# KiCad board krunchboard.kicad_pcb
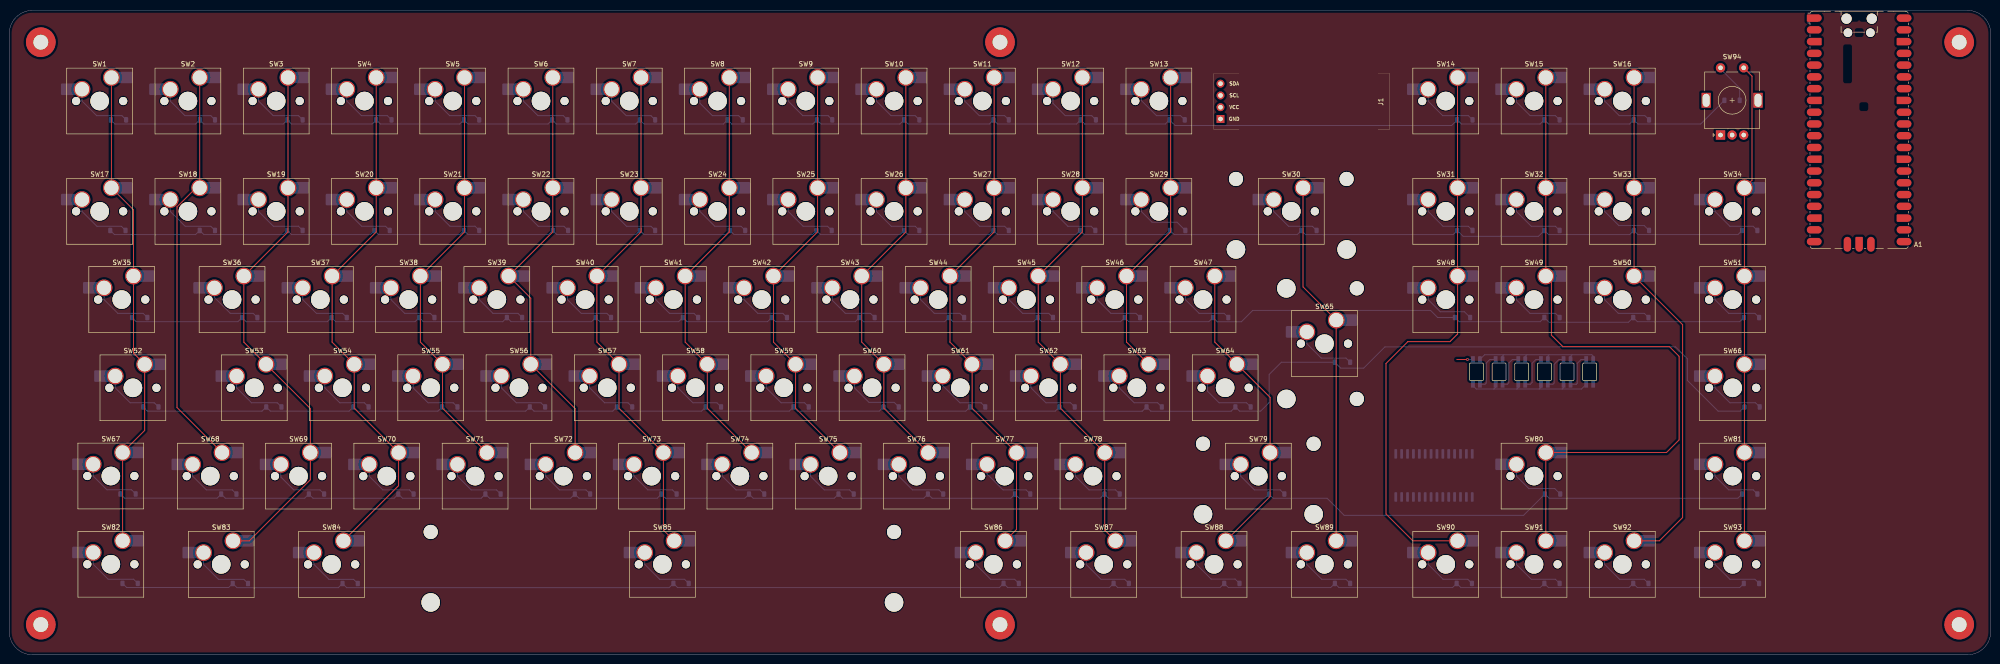
[diagram p0: board, top side]
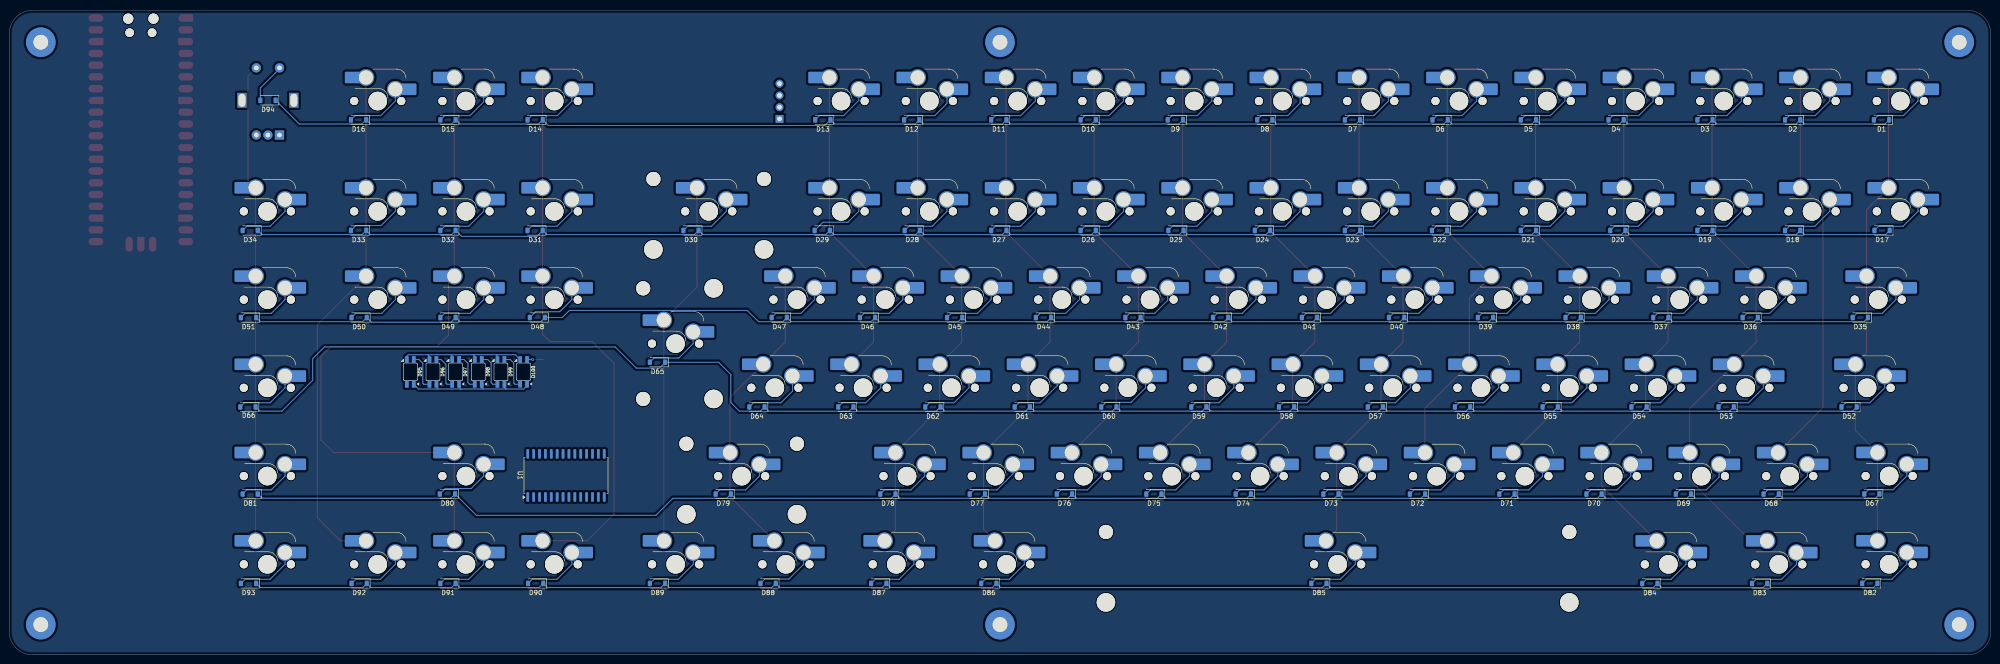
[diagram p1: board, bottom side, seen from below]

Outline 427.63 x 139.09 mm; copper layers: Top, Bottom. Coordinates in mm from the lower left corner of the outline.
Outline path: 0,134.09 arc(1.46,137.63) 5,139.09 422.63,139.09 arc(426.17,137.63) 427.63,134.09 427.63,5 arc(426.17,1.46) 422.63,0 5,0 arc(1.46,1.46) 0,5 0,134.09
Stack: Top 0.035mm / dielectric 1.51mm FR4 er 4.5 / Bottom 0.035mm

## Placement (name value [footprint] x y rotation side)
A1  RaspberryPi_Pico  [RaspberryPi_Pico_SMD_HandSolder]  399.24 113.31 0 top
D1  1N4148W  [D_SOD-123]  23.57 115.47 0 bottom
D2  1N4148W  [D_SOD-123]  42.75 115.47 0 bottom
D3  1N4148W  [D_SOD-123]  61.67 115.47 0 bottom
D4  1N4148W  [D_SOD-123]  80.85 115.47 0 bottom
D5  1N4148W  [D_SOD-123]  99.77 115.47 0 bottom
D6  1N4148W  [D_SOD-123]  118.82 115.47 0 bottom
D7  1N4148W  [D_SOD-123]  137.75 115.47 0 bottom
D8  1N4148W  [D_SOD-123]  156.67 115.47 0 bottom
D9  1N4148W  [D_SOD-123]  175.97 115.47 0 bottom
D10  1N4148W  [D_SOD-123]  194.77 115.47 0 bottom
D11  1N4148W  [D_SOD-123]  214.07 115.47 0 bottom
D12  1N4148W  [D_SOD-123]  232.87 115.47 0 bottom
D13  1N4148W  [D_SOD-123]  252.05 115.47 0 bottom
D14  1N4148W  [D_SOD-123]  314.15 115.47 0 bottom
D15  1N4148W  [D_SOD-123]  332.94 115.47 0 bottom
D16  1N4148W  [D_SOD-123]  352.25 115.47 0 bottom
D17  1N4148W  [D_SOD-123]  23.45 91.59 0 bottom
D18  1N4148W  [D_SOD-123]  42.75 91.59 0 bottom
D19  1N4148W  [D_SOD-123]  61.67 91.59 0 bottom
D20  1N4148W  [D_SOD-123]  80.47 91.59 0 bottom
D21  1N4148W  [D_SOD-123]  99.77 91.59 0 bottom
D22  1N4148W  [D_SOD-123]  118.95 91.59 0 bottom
D23  1N4148W  [D_SOD-123]  137.75 91.59 0 bottom
D24  1N4148W  [D_SOD-123]  157.18 91.59 0 bottom
D25  1N4148W  [D_SOD-123]  175.85 91.59 0 bottom
D26  1N4148W  [D_SOD-123]  194.77 91.59 0 bottom
D27  1N4148W  [D_SOD-123]  214.07 91.59 0 bottom
D28  1N4148W  [D_SOD-123]  232.74 91.59 0 bottom
D29  1N4148W  [D_SOD-123]  252.17 91.59 0 bottom
D30  1N4148W  [D_SOD-123]  280.49 91.59 0 bottom
D31  1N4148W  [D_SOD-123]  314.15 91.59 0 bottom
D32  1N4148W  [D_SOD-123]  332.94 91.59 0 bottom
D33  1N4148W  [D_SOD-123]  352.25 91.59 0 bottom
D34  1N4148W  [D_SOD-123]  375.62 91.59 0 bottom
D35  1N4148W  [D_SOD-123]  28.14 72.8 0 bottom
D36  1N4148W  [D_SOD-123]  51.89 72.8 0 bottom
D37  1N4148W  [D_SOD-123]  71.2 72.8 0 bottom
D38  1N4148W  [D_SOD-123]  90.12 72.8 0 bottom
D39  1N4148W  [D_SOD-123]  109.04 72.8 0 bottom
D40  1N4148W  [D_SOD-123]  128.22 72.8 0 bottom
D41  1N4148W  [D_SOD-123]  147.02 72.8 0 bottom
D42  1N4148W  [D_SOD-123]  166.19 72.8 0 bottom
D43  1N4148W  [D_SOD-123]  185.12 72.8 0 bottom
D44  1N4148W  [D_SOD-123]  204.42 72.8 0 bottom
D45  1N4148W  [D_SOD-123]  223.6 72.8 0 bottom
D46  1N4148W  [D_SOD-123]  242.39 72.8 0 bottom
D47  1N4148W  [D_SOD-123]  261.44 72.8 0 bottom
D48  1N4148W  [D_SOD-123]  313.64 72.8 0 bottom
D49  1N4148W  [D_SOD-123]  332.94 72.8 0 bottom
D50  1N4148W  [D_SOD-123]  352.12 72.8 0 bottom
D51  1N4148W  [D_SOD-123]  376 72.8 0 bottom
D52  1N4148W  [D_SOD-123]  30.56 53.49 0 bottom
D53  1N4148W  [D_SOD-123]  57.1 53.49 0 bottom
D54  1N4148W  [D_SOD-123]  75.9 53.49 0 bottom
D55  1N4148W  [D_SOD-123]  95.07 53.49 0 bottom
D56  1N4148W  [D_SOD-123]  114 53.49 0 bottom
D57  1N4148W  [D_SOD-123]  132.79 53.49 0 bottom
D58  1N4148W  [D_SOD-123]  151.97 53.49 0 bottom
D59  1N4148W  [D_SOD-123]  170.89 53.49 0 bottom
D60  1N4148W  [D_SOD-123]  190.32 53.49 0 bottom
D61  1N4148W  [D_SOD-123]  208.99 53.49 0 bottom
D62  1N4148W  [D_SOD-123]  228.3 53.49 0 bottom
D63  1N4148W  [D_SOD-123]  247.09 53.49 0 bottom
D64  1N4148W  [D_SOD-123]  266.27 53.49 0 bottom
D65  1N4148W  [D_SOD-123]  287.73 63.14 0 bottom
D66  1N4148W  [D_SOD-123]  376.12 53.49 0 bottom
D67  1N4148W  [D_SOD-123]  25.63 34.71 0 bottom
D68  1N4148W  [D_SOD-123]  47.38 34.68 0 bottom
D69  1N4148W  [D_SOD-123]  66.31 34.68 0 bottom
D70  1N4148W  [D_SOD-123]  85.61 34.68 0 bottom
D71  1N4148W  [D_SOD-123]  104.41 34.68 0 bottom
D72  1N4148W  [D_SOD-123]  123.71 34.68 0 bottom
D73  1N4148W  [D_SOD-123]  142.38 34.68 0 bottom
D74  1N4148W  [D_SOD-123]  161.3 34.68 0 bottom
D75  1N4148W  [D_SOD-123]  180.61 34.68 0 bottom
D76  1N4148W  [D_SOD-123]  199.91 34.68 0 bottom
D77  1N4148W  [D_SOD-123]  218.71 34.68 0 bottom
D78  1N4148W  [D_SOD-123]  238.01 34.68 0 bottom
D79  1N4148W  [D_SOD-123]  273.54 34.68 0 bottom
D80  1N4148W  [D_SOD-123]  333.07 34.7 0 bottom
D81  1N4148W  [D_SOD-123]  375.62 34.7 0 bottom
D82  1N4148W  [D_SOD-123]  26.08 15.41 0 bottom
D83  1N4148W  [D_SOD-123]  49.87 15.38 0 bottom
D84  1N4148W  [D_SOD-123]  73.57 15.38 0 bottom
D85  1N4148W  [D_SOD-123]  144.98 15.39 0 bottom
D86  1N4148W  [D_SOD-123]  216.23 15.39 0 bottom
D87  1N4148W  [D_SOD-123]  239.98 15.39 0 bottom
D88  1N4148W  [D_SOD-123]  263.86 15.39 0 bottom
D89  1N4148W  [D_SOD-123]  287.73 15.39 0 bottom
D90  1N4148W  [D_SOD-123]  314.02 15.39 0 bottom
D91  1N4148W  [D_SOD-123]  332.94 15.39 0 bottom
D92  1N4148W  [D_SOD-123]  352.12 15.39 0 bottom
D93  1N4148W  [D_SOD-123]  376 15.39 0 bottom
D94  1N4148W  [D_SOD-123]  371.81 119.68 0 bottom
D95  LED_SK6812MINI  [SK6812-MINI-E]  341.08 61.06 90 bottom
D96  LED_SK6812MINI  [SK6812-MINI-E]  336.19 61.06 90 bottom
D97  LED_SK6812MINI  [SK6812-MINI-E]  331.3 61.06 90 bottom
D98  LED_SK6812MINI  [SK6812-MINI-E]  326.42 61.06 90 bottom
D99  LED_SK6812MINI  [SK6812-MINI-E]  321.53 61.06 90 bottom
D100  LED_SK6812MINI  [SK6812-MINI-E]  316.64 61.06 90 bottom
J1  Conn_01x04_Pin  [SSD1306-0.91-OLED-4pin-128x32]  297.9 113.47 180 top
REF**  -  [MountingHole_3.2mm_M3_Pad_TopBottom]  6.81 132.23 0 top
REF**#2  -  [Stabilizer_MX_2.00u]  283.85 67.16 270 top
REF**#3  -  [Stabilizer_MX_2.00u]  269.57 38.56 0 top
REF**#4  -  [MountingHole_3.2mm_M3_Pad_TopBottom]  213.82 6.5 0 top
REF**#5  -  [Stabilizer_MX_6.25u]  140.95 19.52 0 top
REF**#6  -  [Stabilizer_MX_2.00u]  276.68 95.72 0 top
REF**#7  -  [MountingHole_3.2mm_M3_Pad_TopBottom]  420.83 6.5 0 top
REF**#8  -  [MountingHole_3.2mm_M3_Pad_TopBottom]  420.83 132.23 0 top
REF**#9  -  [MountingHole_3.2mm_M3_Pad_TopBottom]  6.81 6.5 0 top
REF**#10  -  [MountingHole_3.2mm_M3_Pad_TopBottom]  213.82 132.23 0 top
SW1  SW_Push_45deg  [Hotswap_MX_Plated_1.00u]  19.51 119.53 0 top
SW2  SW_Push_45deg  [Hotswap_MX_Plated_1.00u]  38.56 119.53 0 top
SW3  SW_Push_45deg  [Hotswap_MX_Plated_1.00u]  57.61 119.53 0 top
SW4  SW_Push_45deg  [Hotswap_MX_Plated_1.00u]  76.66 119.53 0 top
SW5  SW_Push_45deg  [Hotswap_MX_Plated_1.00u]  95.71 119.53 0 top
SW6  SW_Push_45deg  [Hotswap_MX_Plated_1.00u]  114.76 119.53 0 top
SW7  SW_Push_45deg  [Hotswap_MX_Plated_1.00u]  133.81 119.53 0 top
SW8  SW_Push_45deg  [Hotswap_MX_Plated_1.00u]  152.86 119.53 0 top
SW9  SW_Push_45deg  [Hotswap_MX_Plated_1.00u]  171.91 119.53 0 top
SW10  SW_Push_45deg  [Hotswap_MX_Plated_1.00u]  190.96 119.53 0 top
SW11  SW_Push_45deg  [Hotswap_MX_Plated_1.00u]  210.01 119.53 0 top
SW12  SW_Push_45deg  [Hotswap_MX_Plated_1.00u]  229.06 119.53 0 top
SW13  SW_Push_45deg  [Hotswap_MX_Plated_1.00u]  248.11 119.53 0 top
SW14  SW_Push_45deg  [Hotswap_MX_Plated_1.00u]  310.02 119.53 0 top
SW15  SW_Push_45deg  [Hotswap_MX_Plated_1.00u]  329.07 119.53 0 top
SW16  SW_Push_45deg  [Hotswap_MX_Plated_1.00u]  348.12 119.53 0 top
SW17  SW_Push_45deg  [Hotswap_MX_Plated_1.00u]  19.51 95.72 0 top
SW18  SW_Push_45deg  [Hotswap_MX_Plated_1.00u]  38.56 95.72 0 top
SW19  SW_Push_45deg  [Hotswap_MX_Plated_1.00u]  57.61 95.72 0 top
SW20  SW_Push_45deg  [Hotswap_MX_Plated_1.00u]  76.66 95.72 0 top
SW21  SW_Push_45deg  [Hotswap_MX_Plated_1.00u]  95.71 95.72 0 top
SW22  SW_Push_45deg  [Hotswap_MX_Plated_1.00u]  114.76 95.72 0 top
SW23  SW_Push_45deg  [Hotswap_MX_Plated_1.00u]  133.81 95.72 0 top
SW24  SW_Push_45deg  [Hotswap_MX_Plated_1.00u]  152.86 95.72 0 top
SW25  SW_Push_45deg  [Hotswap_MX_Plated_1.00u]  171.91 95.72 0 top
SW26  SW_Push_45deg  [Hotswap_MX_Plated_1.00u]  190.96 95.72 0 top
SW27  SW_Push_45deg  [Hotswap_MX_Plated_1.00u]  210.01 95.72 0 top
SW28  SW_Push_45deg  [Hotswap_MX_Plated_1.00u]  229.06 95.72 0 top
SW29  SW_Push_45deg  [Hotswap_MX_Plated_1.00u]  248.11 95.72 0 top
SW30  SW_Push_45deg  [Hotswap_MX_Plated_2.00u]  276.68 95.72 0 top
SW31  SW_Push_45deg  [Hotswap_MX_Plated_1.00u]  310.02 95.72 0 top
SW32  SW_Push_45deg  [Hotswap_MX_Plated_1.00u]  329.07 95.72 0 top
SW33  SW_Push_45deg  [Hotswap_MX_Plated_1.00u]  348.12 95.72 0 top
SW34  SW_Push_45deg  [Hotswap_MX_Plated_1.00u]  371.93 95.72 0 top
SW35  SW_Push_45deg  [Hotswap_MX_Plated_1.50u]  24.27 76.67 0 top
SW36  SW_Push_45deg  [Hotswap_MX_Plated_1.00u]  48.08 76.67 0 top
SW37  SW_Push_45deg  [Hotswap_MX_Plated_1.00u]  67.13 76.67 0 top
SW38  SW_Push_45deg  [Hotswap_MX_Plated_1.00u]  86.18 76.67 0 top
SW39  SW_Push_45deg  [Hotswap_MX_Plated_1.00u]  105.23 76.67 0 top
SW40  SW_Push_45deg  [Hotswap_MX_Plated_1.00u]  124.28 76.67 0 top
SW41  SW_Push_45deg  [Hotswap_MX_Plated_1.00u]  143.33 76.67 0 top
SW42  SW_Push_45deg  [Hotswap_MX_Plated_1.00u]  162.38 76.67 0 top
SW43  SW_Push_45deg  [Hotswap_MX_Plated_1.00u]  181.43 76.67 0 top
SW44  SW_Push_45deg  [Hotswap_MX_Plated_1.00u]  200.48 76.67 0 top
SW45  SW_Push_45deg  [Hotswap_MX_Plated_1.00u]  219.53 76.67 0 top
SW46  SW_Push_45deg  [Hotswap_MX_Plated_1.00u]  238.58 76.67 0 top
SW47  SW_Push_45deg  [Hotswap_MX_Plated_1.00u]  257.63 76.67 0 top
SW48  SW_Push_45deg  [Hotswap_MX_Plated_1.00u]  310.03 76.66 0 top
SW49  SW_Push_45deg  [Hotswap_MX_Plated_1.00u]  329.06 76.66 0 top
SW50  SW_Push_45deg  [Hotswap_MX_Plated_1.00u]  348.11 76.66 0 top
SW51  SW_Push_45deg  [Hotswap_MX_Plated_1.00u]  371.93 76.66 0 top
SW52  SW_Push_45deg  [Hotswap_MX_Plated_1.75u]  26.68 57.62 0 top
SW53  SW_Push_45deg  [Hotswap_MX_Plated_1.00u]  52.87 57.62 0 top
SW54  SW_Push_45deg  [Hotswap_MX_Plated_1.00u]  71.91 57.63 0 top
SW55  SW_Push_45deg  [Hotswap_MX_Plated_1.00u]  90.96 57.63 0 top
SW56  SW_Push_45deg  [Hotswap_MX_Plated_1.00u]  110.01 57.63 0 top
SW57  SW_Push_45deg  [Hotswap_MX_Plated_1.00u]  129.06 57.63 0 top
SW58  SW_Push_45deg  [Hotswap_MX_Plated_1.00u]  148.11 57.63 0 top
SW59  SW_Push_45deg  [Hotswap_MX_Plated_1.00u]  167.16 57.63 0 top
SW60  SW_Push_45deg  [Hotswap_MX_Plated_1.00u]  186.21 57.63 0 top
SW61  SW_Push_45deg  [Hotswap_MX_Plated_1.00u]  205.26 57.63 0 top
SW62  SW_Push_45deg  [Hotswap_MX_Plated_1.00u]  224.31 57.63 0 top
SW63  SW_Push_45deg  [Hotswap_MX_Plated_1.00u]  243.36 57.63 0 top
SW64  SW_Push_45deg  [Hotswap_MX_Plated_1.00u]  262.41 57.63 0 top
SW65  SW_Push_45deg  [Hotswap_MX_Plated_ISOEnter]  283.85 67.16 0 top
SW66  SW_Push_45deg  [Hotswap_MX_Plated_1.00u]  371.93 57.62 0 top
SW67  SW_Push_45deg  [Hotswap_MX_Plated_1.25u]  21.92 38.58 0 top
SW68  SW_Push_45deg  [Hotswap_MX_Plated_1.00u]  43.38 38.56 0 top
SW69  SW_Push_45deg  [Hotswap_MX_Plated_1.00u]  62.43 38.56 0 top
SW70  SW_Push_45deg  [Hotswap_MX_Plated_1.00u]  81.48 38.56 0 top
SW71  SW_Push_45deg  [Hotswap_MX_Plated_1.00u]  100.53 38.56 0 top
SW72  SW_Push_45deg  [Hotswap_MX_Plated_1.00u]  119.58 38.56 0 top
SW73  SW_Push_45deg  [Hotswap_MX_Plated_1.00u]  138.63 38.56 0 top
SW74  SW_Push_45deg  [Hotswap_MX_Plated_1.00u]  157.68 38.56 0 top
SW75  SW_Push_45deg  [Hotswap_MX_Plated_1.00u]  176.73 38.56 0 top
SW76  SW_Push_45deg  [Hotswap_MX_Plated_1.00u]  195.78 38.56 0 top
SW77  SW_Push_45deg  [Hotswap_MX_Plated_1.00u]  214.83 38.56 0 top
SW78  SW_Push_45deg  [Hotswap_MX_Plated_1.00u]  233.88 38.56 0 top
SW79  SW_Push_45deg  [Hotswap_MX_Plated_2.75u]  269.57 38.56 0 top
SW80  SW_Push_45deg  [Hotswap_MX_Plated_1.00u]  329.07 38.57 0 top
SW81  SW_Push_45deg  [Hotswap_MX_Plated_1.00u]  371.93 38.57 0 top
SW82  SW_Push_45deg  [Hotswap_MX_Plated_1.25u]  21.93 19.53 0 top
SW83  SW_Push_45deg  [Hotswap_MX_Plated_1.25u]  45.74 19.51 0 top
SW84  SW_Push_45deg  [Hotswap_MX_Plated_1.25u]  69.57 19.51 0 top
SW85  SW_Push_45deg  [Hotswap_MX_Plated_6.25u]  140.95 19.52 0 top
SW86  SW_Push_45deg  [Hotswap_MX_Plated_1.25u]  212.39 19.52 0 top
SW87  SW_Push_45deg  [Hotswap_MX_Plated_1.25u]  236.2 19.52 0 top
SW88  SW_Push_45deg  [Hotswap_MX_Plated_1.25u]  260.01 19.52 0 top
SW89  SW_Push_45deg  [Hotswap_MX_Plated_1.25u]  283.83 19.52 0 top
SW90  SW_Push_45deg  [Hotswap_MX_Plated_1.00u]  310.02 19.52 0 top
SW91  SW_Push_45deg  [Hotswap_MX_Plated_1.00u]  329.07 19.52 0 top
SW92  SW_Push_45deg  [Hotswap_MX_Plated_1.00u]  348.12 19.52 0 top
SW93  SW_Push_45deg  [Hotswap_MX_Plated_1.00u]  371.93 19.52 0 top
SW94  RotaryEncoder_Switch  [RotaryEncoder_Alps_EC11E-Switch_Vertical_H20mm]  369.32 112.2 90 top
U1  MCP23017_SO  [SOIC-28W_7.5x17.9mm_P1.27mm]  307.48 38.71 90 bottom

## Library data of the parts
A1 = -: Datasheet: https://datasheets.raspberrypi.com/pico/pico-datasheet.pdf; Description: Versatile and inexpensive microcontroller module (with debug pins) powered by RP2040 dual-core Arm Cortex-M0+ processor up to 133 MHz, 264kB SRAM, 2MB QSPI flash; also supports Raspberry Pi Pico 2; ki_fp_filters: RaspberryPi?Pico?SMD*
D1-D94 = -: Datasheet: https://www.vishay.com/docs/85748/1n4148w.pdf; Description: 75V 0.15A Fast Switching Diode, SOD-123; Sim.Device: D; Sim.Pins: 1=K 2=A; ki_fp_filters: D*SOD?123*
D95-D100 = -: Datasheet: https://cdn-shop.adafruit.com/product-files/2686/SK6812MINI_REV.01-1-2.pdf; Description: RGB LED with integrated controller; LCSC: C5149201; ki_fp_filters: LED*SK6812MINI*PLCC*3.5x3.5mm*P1.75mm*
J1 = -: Description: Generic connector, single row, 01x04, script generated; ki_fp_filters: Connector*:*_1x??_*
SW1-SW93 = -: Description: Push button switch, normally open, two pins, 45° tilted
SW94 = -: Description: Rotary encoder, dual channel, incremental quadrate outputs, with switch; ki_fp_filters: RotaryEncoder*Switch*
U1 = -: Datasheet: https://ww1.microchip.com/downloads/aemDocuments/documents/APID/ProductDocuments/DataSheets/MCP23017-Data-Sheet-DS20001952.pdf; Description: 16-bit I/O expander, I2C, interrupts, w pull-ups, GPA/B7 output only (https://microchip.my.site.com/s/article/GPA7---GPB7-Cannot-Be-Used-as-Inputs-In-MCP23017),  SOIC-28; ki_fp_filters: SOIC*7.5x17.9mm*P1.27mm*

## Footprints (pads in the part's own frame, mm; a bottom-side part is the same pattern mirrored in y, then rotated)
D_SOD-123
  rrect 0.9x1.2 smd: 1(-1.65,0) 2(1.65,0)
Hotswap_MX_Plated_1.00u
  rrect 2.55x2.5 smd: (-7.085,2.54) (5.842,5.08)
  round 1.75 hole 1.75 unplated: (-5.08,0) (5.08,0)
  round 4 hole 4 unplated: (0,0)
  rrect 3.55x2.5 smd far side: 1(-6.585,2.54) 2(5.32,5.08)
  round 3.6 hole 3.05: 1(-3.81,2.54) 2(2.54,5.08)
Hotswap_MX_Plated_1.25u
  rrect 2.55x2.5 smd: (-7.085,2.54) (5.842,5.08)
  round 1.75 hole 1.75 unplated: (-5.08,0) (5.08,0)
  round 4 hole 4 unplated: (0,0)
  rrect 3.55x2.5 smd far side: 1(-6.585,2.54) 2(5.32,5.08)
  round 3.6 hole 3.05: 1(-3.81,2.54) 2(2.54,5.08)
Hotswap_MX_Plated_1.50u
  rrect 2.55x2.5 smd: (-7.085,2.54) (5.842,5.08)
  round 1.75 hole 1.75 unplated: (-5.08,0) (5.08,0)
  round 4 hole 4 unplated: (0,0)
  rrect 3.55x2.5 smd far side: 1(-6.585,2.54) 2(5.32,5.08)
  round 3.6 hole 3.05: 1(-3.81,2.54) 2(2.54,5.08)
Hotswap_MX_Plated_1.75u
  rrect 2.55x2.5 smd: (-7.085,2.54) (5.842,5.08)
  round 1.75 hole 1.75 unplated: (-5.08,0) (5.08,0)
  round 4 hole 4 unplated: (0,0)
  rrect 3.55x2.5 smd far side: 1(-6.585,2.54) 2(5.32,5.08)
  round 3.6 hole 3.05: 1(-3.81,2.54) 2(2.54,5.08)
Hotswap_MX_Plated_2.00u
  rrect 2.55x2.5 smd: (-7.085,2.54) (5.842,5.08)
  round 1.75 hole 1.75 unplated: (-5.08,0) (5.08,0)
  round 4 hole 4 unplated: (0,0)
  rrect 3.55x2.5 smd far side: 1(-6.585,2.54) 2(5.32,5.08)
  round 3.6 hole 3.05: 1(-3.81,2.54) 2(2.54,5.08)
Hotswap_MX_Plated_2.75u
  rrect 2.55x2.5 smd: (-7.085,2.54) (5.842,5.08)
  round 1.75 hole 1.75 unplated: (-5.08,0) (5.08,0)
  round 4 hole 4 unplated: (0,0)
  rrect 3.55x2.5 smd far side: 1(-6.585,2.54) 2(5.32,5.08)
  round 3.6 hole 3.05: 1(-3.81,2.54) 2(2.54,5.08)
Hotswap_MX_Plated_6.25u
  rrect 2.55x2.5 smd: (-7.085,2.54) (5.842,5.08)
  round 1.75 hole 1.75 unplated: (-5.08,0) (5.08,0)
  round 4 hole 4 unplated: (0,0)
  rrect 3.55x2.5 smd far side: 1(-6.585,2.54) 2(5.32,5.08)
  round 3.6 hole 3.05: 1(-3.81,2.54) 2(2.54,5.08)
Hotswap_MX_Plated_ISOEnter
  rrect 2.55x2.5 smd: (-7.085,2.54) (5.842,5.08)
  round 1.75 hole 1.75 unplated: (-5.08,0) (5.08,0)
  round 4 hole 4 unplated: (0,0)
  rrect 3.55x2.5 smd far side: 1(-6.585,2.54) 2(5.32,5.08)
  round 3.6 hole 3.05: 1(-3.81,2.54) 2(2.54,5.08)
MountingHole_3.2mm_M3_Pad_TopBottom
  round 3.6 hole 3.2: 1(0,0)
  round 6.4 smd: 1(0,0)
  round 6.4 smd far side: 1(0,0)
RaspberryPi_Pico_SMD_HandSolder
  rect 3.8x2.2 smd: (-8.89,24.13) (-8.89,21.59) (-8.89,19.05) (-8.89,16.51) (-8.89,13.97) (-8.89,11.43) (-8.89,8.89) (-8.89,6.35) (-8.89,3.81) (-8.89,1.27) (-8.89,-1.27) (-8.89,-3.81) (-8.89,-6.35) (-8.89,-8.89) (-8.89,-11.43) (-8.89,-13.97) (-8.89,-16.51) (-8.89,-19.05) (-8.89,-21.59) (-8.89,-24.13) (8.89,24.13) (8.89,21.59) (8.89,19.05) (8.89,16.51) (8.89,13.97) (8.89,11.43) (8.89,8.89) (8.89,6.35) (8.89,3.81) (8.89,1.27) (8.89,-1.27) (8.89,-3.81) (8.89,-6.35) (8.89,-8.89) (8.89,-11.43) (8.89,-13.97) (8.89,-16.51) (8.89,-19.05) (8.89,-21.59) (8.89,-24.13)
  round 2.2 hole 2.2 unplated: (-2.725,24) (2.725,24)
  rect 2.2x3.8 smd: (-2.54,-23.9) (0,-23.9) (2.54,-23.9)
  round 1.85 hole 1.85 unplated: (-2.425,20.97) (2.425,20.97)
  custom 3.2x1.6 smd: 1(-9.69,24.13) 3(-9.69,19.05) 8(-9.69,6.35) 13(-9.69,-6.35) 18(-9.69,-19.05) 23(9.69,-19.05) 28(9.69,-6.35) 33(9.69,6.35) 38(9.69,19.05)
  rrect 3.2x1.6 smd: 2(-9.69,21.59) 4(-9.69,16.51) 5(-9.69,13.97) 6(-9.69,11.43) 7(-9.69,8.89) 9(-9.69,3.81) 10(-9.69,1.27) 11(-9.69,-1.27) 12(-9.69,-3.81) 14(-9.69,-8.89) 15(-9.69,-11.43) 16(-9.69,-13.97) 17(-9.69,-16.51) 19(-9.69,-21.59) 20(-9.69,-24.13) 21(9.69,-24.13) 22(9.69,-21.59) 24(9.69,-16.51) 25(9.69,-13.97) 26(9.69,-11.43) 27(9.69,-8.89) 29(9.69,-3.81) 30(9.69,-1.27) 31(9.69,1.27) 32(9.69,3.81) 34(9.69,8.89) 35(9.69,11.43) 36(9.69,13.97) 37(9.69,16.51) 39(9.69,21.59) 40(9.69,24.13)
  rrect 1.6x3.2 smd: D1(-2.54,-23.9) D3(2.54,-23.9)
  custom 1.6x3.2 smd: D2(0,-23.9)
RotaryEncoder_Alps_EC11E-Switch_Vertical_H20mm
  rect 2x2 hole 1: A(0,0)
  round 2 hole 1: B(0,-5) C(0,-2.5) S1(14.5,-5) S2(14.5,0)
  rect 3.2x2 hole 2.8x1.5: MP(7.5,3.1) MP(7.5,-8.1)
SK6812-MINI-E
  rect 1.45x0.82 smd: 1(-2.675,-0.75) 2(-2.675,0.75) 4(2.675,-0.75)
  rrect 1.45x0.82 smd: 3(2.675,0.75)
SOIC-28W_7.5x17.9mm_P1.27mm
  rrect 2.05x0.6 smd: 1(-4.65,8.255) 2(-4.65,6.985) 3(-4.65,5.715) 4(-4.65,4.445) 5(-4.65,3.175) 6(-4.65,1.905) 7(-4.65,0.635) 8(-4.65,-0.635) 9(-4.65,-1.905) 10(-4.65,-3.175) 11(-4.65,-4.445) 12(-4.65,-5.715) 13(-4.65,-6.985) 14(-4.65,-8.255) 15(4.65,-8.255) 16(4.65,-6.985) 17(4.65,-5.715) 18(4.65,-4.445) 19(4.65,-3.175) 20(4.65,-1.905) 21(4.65,-0.635) 22(4.65,0.635) 23(4.65,1.905) 24(4.65,3.175) 25(4.65,4.445) 26(4.65,5.715) 27(4.65,6.985) 28(4.65,8.255)
SSD1306-0.91-OLED-4pin-128x32
  rect 1.7x1.7 hole 1: 1(36.5,-2.19)
  oval 1.7x1.7 hole 1: 2(36.5,-4.73) 3(36.5,-7.27) 4(36.5,-9.81)
Stabilizer_MX_2.00u
  round 3.048 hole 3.048 unplated: (-11.938,6.985) (11.938,6.985)
  round 3.988 hole 3.988 unplated: (-11.938,-8.225) (11.938,-8.225)
Stabilizer_MX_6.25u
  round 3.048 hole 3.048 unplated: (-50,6.985) (50,6.985)
  round 3.988 hole 3.988 unplated: (-50,-8.225) (50,-8.225)

## Nets
+3V3: A1.36 J1.2 U1.18
+5V: D95.1 D96.1 D97.1 D98.1 D99.1 D100.1
GND: A1.3 A1.8 A1.13 A1.18 A1.23 A1.28 A1.38 A1.D2 D95.3 D96.3 D97.3 D98.3 D99.3 D100.3 J1.1 SW94.C U1.10 U1.15 U1.16 U1.17
C0: A1.27 SW1.2 SW17.2 SW35.2 SW52.2 SW67.2 SW82.2
C1: A1.29 SW2.2 SW18.2 SW68.2
C2: A1.4 SW3.2 SW19.2 SW36.2 SW53.2 SW69.2 SW83.2
C3: A1.5 SW4.2 SW20.2 SW37.2 SW54.2 SW70.2 SW84.2
C4: A1.6 SW5.2 SW21.2 SW38.2 SW55.2 SW71.2
C5: A1.7 SW6.2 SW22.2 SW39.2 SW56.2 SW72.2
C6: A1.9 SW7.2 SW23.2 SW40.2 SW57.2 SW73.2 SW85.2
C7: A1.10 SW8.2 SW24.2 SW41.2 SW58.2 SW74.2
C8: A1.11 SW9.2 SW25.2 SW42.2 SW59.2 SW75.2
C9: A1.12 SW10.2 SW26.2 SW43.2 SW60.2 SW76.2
C10: A1.14 SW11.2 SW27.2 SW44.2 SW61.2 SW77.2 SW86.2
C11: A1.15 SW12.2 SW28.2 SW45.2 SW62.2 SW78.2 SW87.2
C12: A1.16 SW13.2 SW29.2 SW46.2 SW63.2
C13: A1.17 SW47.2 SW64.2 SW79.2 SW88.2
C14: A1.19 SW30.2 SW65.2 SW89.2
C15: A1.20 SW14.2 SW31.2 SW48.2 SW90.2
C16: A1.21 SW15.2 SW32.2 SW49.2 SW80.2 SW91.2
C17: A1.22 SW16.2 SW33.2 SW50.2 SW92.2
C18: A1.24 SW34.2 SW51.2 SW66.2 SW81.2 SW93.2 SW94.S1
ENCA: SW94.A U1.1
ENCB: SW94.B U1.2
NEOPIXEL: D100.4 U1.3
R0: D1.1 D2.1 D3.1 D4.1 D5.1 D6.1 D7.1 D8.1 D9.1 D10.1 D11.1 D12.1 D13.1 D14.1 D15.1 D16.1 D94.1 U1.21
R1: D17.1 D18.1 D19.1 D20.1 D21.1 D22.1 D23.1 D24.1 D25.1 D26.1 D27.1 D28.1 D29.1 D30.1 D31.1 D32.1 D33.1 D34.1 U1.22
R2: D35.1 D36.1 D37.1 D38.1 D39.1 D40.1 D41.1 D42.1 D43.1 D44.1 D45.1 D46.1 D47.1 D48.1 D49.1 D50.1 D51.1 U1.23
R3: D52.1 D53.1 D54.1 D55.1 D56.1 D57.1 D58.1 D59.1 D60.1 D61.1 D62.1 D63.1 D64.1 D65.1 D66.1 U1.24
R4: D67.1 D68.1 D69.1 D70.1 D71.1 D72.1 D73.1 D74.1 D75.1 D76.1 D77.1 D78.1 D79.1 D80.1 D81.1 U1.25
R5: D82.1 D83.1 D84.1 D85.1 D86.1 D87.1 D88.1 D89.1 D90.1 D91.1 D92.1 D93.1 U1.26
SCL: A1.1 J1.3 U1.12
SDA: A1.2 J1.4 U1.13
Net-(D1-A): D1.2 SW1.1
Net-(D2-A): D2.2 SW2.1
Net-(D3-A): D3.2 SW3.1
Net-(D4-A): D4.2 SW4.1
Net-(D5-A): D5.2 SW5.1
Net-(D6-A): D6.2 SW6.1
Net-(D7-A): D7.2 SW7.1
Net-(D8-A): D8.2 SW8.1
Net-(D9-A): D9.2 SW9.1
Net-(D10-A): D10.2 SW10.1
Net-(D11-A): D11.2 SW11.1
Net-(D12-A): D12.2 SW12.1
Net-(D13-A): D13.2 SW13.1
Net-(D14-A): D14.2 SW14.1
Net-(D15-A): D15.2 SW15.1
Net-(D16-A): D16.2 SW16.1
Net-(D17-A): D17.2 SW17.1
Net-(D18-A): D18.2 SW18.1
Net-(D19-A): D19.2 SW19.1
Net-(D20-A): D20.2 SW20.1
Net-(D21-A): D21.2 SW21.1
Net-(D22-A): D22.2 SW22.1
Net-(D23-A): D23.2 SW23.1
Net-(D24-A): D24.2 SW24.1
Net-(D25-A): D25.2 SW25.1
Net-(D26-A): D26.2 SW26.1
Net-(D27-A): D27.2 SW27.1
Net-(D28-A): D28.2 SW28.1
Net-(D29-A): D29.2 SW29.1
Net-(D30-A): D30.2 SW30.1
Net-(D31-A): D31.2 SW31.1
Net-(D32-A): D32.2 SW32.1
Net-(D33-A): D33.2 SW33.1
Net-(D34-A): D34.2 SW34.1
Net-(D35-A): D35.2 SW35.1
Net-(D36-A): D36.2 SW36.1
Net-(D37-A): D37.2 SW37.1
Net-(D38-A): D38.2 SW38.1
Net-(D39-A): D39.2 SW39.1
Net-(D40-A): D40.2 SW40.1
Net-(D41-A): D41.2 SW41.1
Net-(D42-A): D42.2 SW42.1
Net-(D43-A): D43.2 SW43.1
Net-(D44-A): D44.2 SW44.1
Net-(D45-A): D45.2 SW45.1
Net-(D46-A): D46.2 SW46.1
Net-(D47-A): D47.2 SW47.1
Net-(D48-A): D48.2 SW48.1
Net-(D49-A): D49.2 SW49.1
Net-(D50-A): D50.2 SW50.1
Net-(D51-A): D51.2 SW51.1
Net-(D52-A): D52.2 SW52.1
Net-(D53-A): D53.2 SW53.1
Net-(D54-A): D54.2 SW54.1
Net-(D55-A): D55.2 SW55.1
Net-(D56-A): D56.2 SW56.1
Net-(D57-A): D57.2 SW57.1
Net-(D58-A): D58.2 SW58.1
Net-(D59-A): D59.2 SW59.1
Net-(D60-A): D60.2 SW60.1
Net-(D61-A): D61.2 SW61.1
Net-(D62-A): D62.2 SW62.1
Net-(D63-A): D63.2 SW63.1
Net-(D64-A): D64.2 SW64.1
Net-(D65-A): D65.2 SW65.1
Net-(D66-A): D66.2 SW66.1
Net-(D67-A): D67.2 SW67.1
Net-(D68-A): D68.2 SW68.1
Net-(D69-A): D69.2 SW69.1
Net-(D70-A): D70.2 SW70.1
Net-(D71-A): D71.2 SW71.1
Net-(D72-A): D72.2 SW72.1
Net-(D73-A): D73.2 SW73.1
Net-(D74-A): D74.2 SW74.1
Net-(D75-A): D75.2 SW75.1
Net-(D76-A): D76.2 SW76.1
Net-(D77-A): D77.2 SW77.1
Net-(D78-A): D78.2 SW78.1
Net-(D79-A): D79.2 SW79.1
Net-(D80-A): D80.2 SW80.1
Net-(D81-A): D81.2 SW81.1
Net-(D82-A): D82.2 SW82.1
Net-(D83-A): D83.2 SW83.1
Net-(D84-A): D84.2 SW84.1
Net-(D85-A): D85.2 SW85.1
Net-(D86-A): D86.2 SW86.1
Net-(D87-A): D87.2 SW87.1
Net-(D88-A): D88.2 SW88.1
Net-(D89-A): D89.2 SW89.1
Net-(D90-A): D90.2 SW90.1
Net-(D91-A): D91.2 SW91.1
Net-(D92-A): D92.2 SW92.1
Net-(D93-A): D93.2 SW93.1
Net-(D94-A): D94.2 SW94.S2
Net-(D95-DIN): D95.4 D96.2
Net-(D96-DIN): D96.4 D97.2
Net-(D97-DIN): D97.4 D98.2
Net-(D98-DIN): D98.4 D99.2
Net-(D100-DOUT): D99.4 D100.2

Pads without a net: A1 25 26 30 31 32 33 34 35 37 39 40 D1 D3; D95 2; REF** 1; REF**#4 1; REF**#7 1; REF**#8 1; REF**#9 1; REF**#10 1; SW94 MP; U1 4 5 6 7 8 9 11 14 19 20 27 28

## Via types
v1: diameter 0.6, hole 0.3, Top to Bottom, 1 via

## Routing (per net, layer and track width the routed paths; a pad name or vN(x,y) marks a point on that pad's centre or on a via; arc(x,y) is an arc through that point)
+5V: length 30.1
  Bottom w0.2: 325.36,57.36 325.67,57.67 D98.1 ; 325.36,57.36 330.18,57.36 ; 325.36,57.36 320.41,57.36 ; 330.18,57.36 335.14,57.36 ; 330.18,57.36 330.55,57.73 D97.1 ; 335.14,57.36 339.3,57.36 D95.1 ; 335.14,57.36 335.44,57.66 D96.1 ; D99.1 320.78,57.73 320.41,57.36 ; 320.41,57.36 316.6,57.36 315.89,58.07 D100.1
GND: length 30.4
  Bottom w0.2: 322.56,64.76 322.28,64.48 D99.3 ; 322.56,64.76 327.52,64.76 ; 322.56,64.76 318.42,64.76 D100.3 ; D97.3 332.05,64.47 332.34,64.76 ; 332.34,64.76 327.52,64.76 ; 332.34,64.76 337.3,64.76 ; 327.52,64.76 327.17,64.41 D98.3 ; 337.3,64.76 336.94,64.41 D96.3 ; 337.3,64.76 341.53,64.76 341.83,64.46 D95.3
C0: length 104.9
  Top w0.2: SW82.2 24.46,24.62 SW67.2 29.22,48.43 SW52.2 26.81,65.11 SW35.2 26.81,96.04 SW17.2 SW1.2
C1: length 87.5
  Top w0.2: SW2.2 SW18.2 40.31,100.8 36.21,96.69 36.21,53.35 SW68.2
C2: length 118.9
  Top w0.2: SW83.2 51.79,24.59 64.97,37.77 SW69.2 64.97,53.14 SW53.2 50.62,67.49 SW36.2 60.15,91.27 SW19.2 SW3.2
C3: length 114.8
  Top w0.2: SW4.2 SW20.2 79.2,91.27 SW37.2 69.67,67.49 SW54.2 74.45,53.21 SW70.2 84.02,36.5 SW84.2
C4: length 90.9
  Top w0.2: SW5.2 SW21.2 98.25,91.27 SW38.2 88.72,67.49 SW55.2 93.5,53.21 SW71.2
C5: length 90.9
  Top w0.2: SW72.2 122.12,53.14 SW56.2 112.55,76.97 SW39.2 117.3,91.27 SW22.2 SW6.2
C6: length 110.9
  Top w0.2: SW85.2 141.17,26.92 SW73.2 131.6,53.21 SW57.2 126.82,67.49 SW40.2 136.35,91.27 SW23.2 SW7.2
C7: length 90.9
  Top w0.2: SW74.2 150.65,53.21 SW58.2 145.87,67.49 SW41.2 155.4,91.27 SW24.2 SW8.2
C8: length 90.9
  Top w0.2: SW9.2 SW25.2 174.45,91.27 SW42.2 164.92,67.49 SW59.2 169.7,53.21 SW75.2
C9: length 90.9
  Top w0.2: SW76.2 188.75,53.21 SW60.2 183.97,67.49 SW43.2 193.5,91.27 SW10.2
C10: length 110.9
  Top w0.2: SW11.2 SW27.2 212.55,91.27 SW44.2 203.02,67.49 SW61.2 207.8,53.21 SW77.2 217.37,27.04 SW86.2
C11: length 110.9
  Top w0.2: SW87.2 236.42,26.92 SW78.2 226.85,53.21 SW62.2 222.07,67.49 SW45.2 231.6,91.27 SW28.2 SW12.2
C12: length 67.8
  Top w0.2: SW13.2 SW29.2 250.65,91.27 SW46.2 241.12,67.49 SW63.2
C13: length 66.1
  Top w0.2: SW88.2 272.11,34.16 SW79.2 272.11,55.55 SW64.2 260.17,67.49 SW47.2
C14: length 79.2
  Top w0.2: SW30.2 279.22,79.4 SW65.2 286.37,72.22 SW89.2
C15: length 123.8
  Top w0.2: SW90.2 302.91,24.6 297.13,30.38 297.13,62.89 301.83,67.59 310.92,67.59 312.57,69.24 SW48.2 312.56,81.75 SW31.2 SW14.2
C16: length 152.6
  Top w0.2: SW91.2 SW80.2 357.64,43.65 360.38,46.38 360.38,64.41 358.28,66.51 335.29,66.51 332.82,68.99 332.82,80.52 SW49.2 331.61,81.75 SW32.2 SW15.2
C17: length 111.9
  Top w0.2: SW16.2 SW33.2 350.66,81.75 SW50.2 361.14,71.25 361.14,29.62 356.12,24.6 SW92.2
C18: length 103.5
  Top w0.2: SW93.2 SW34.2 376.12,102.44 376.12,124.9 SW94.S1
NEOPIXEL: length 3.5
  Top w0.2: v1(314.69,63.74) 312.4,63.74
  Bottom w0.2: D100.4 v1(314.69,63.74)
R0: length 362.2
  Bottom w0.2: D94.1 365.04,114.57 351.5,114.57 D16.1 349.7,114.57 332.19,114.57 D15.1 330.39,114.57 313.4,114.57 D14.1 311.28,114.25 251.61,114.25 D13.1 249.49,114.57 232.12,114.57 D12.1 230.32,114.57 213.32,114.57 D11.1 211.52,114.57 194.02,114.57 D10.1 192.22,114.57 175.22,114.57 D9.1 173.42,114.57 155.92,114.57 D8.1 154.12,114.57 137,114.57 D7.1 135.19,114.57 118.07,114.57 D6.1 116.27,114.57 99.02,114.57 D5.1 97.22,114.57 80.1,114.57 D4.1 78.3,114.57 60.92,114.57 D3.1 59.12,114.57 42,114.57 D2.1 40.2,114.57 22.82,114.57 D1.1
R1: length 365.2
  Bottom w0.2: D34.1 373.06,90.69 351.5,90.69 D33.1 349.7,90.69 332.19,90.69 D32.1 330.02,90.32 313.77,90.32 D31.1 311.6,90.69 279.74,90.69 D30.1 277.94,90.69 251.42,90.69 D29.1 249.62,90.69 231.99,90.69 D28.1 230.19,90.69 213.32,90.69 D27.1 211.52,90.69 194.02,90.69 D26.1 192.22,90.69 175.1,90.69 D25.1 173.29,90.69 156.43,90.69 D24.1 154.62,90.69 137,90.69 D23.1 135.19,90.69 118.2,90.69 D22.1 116.4,90.69 99.02,90.69 D21.1 97.22,90.69 79.72,90.69 D20.1 77.92,90.69 60.92,90.69 D19.1 59.12,90.69 42,90.69 D18.1 40.2,90.69 22.7,90.69 D17.1
R2: length 361.2
  Bottom w0.2: D51.1 373.45,71.9 351.37,71.9 D50.1 349.46,71.78 332.31,71.78 D49.1 330.39,71.9 312.89,71.9 D48.1 308.28,72.8 306.74,74.34 268.37,74.34 265.91,71.88 260.71,71.88 D47.1 258.89,71.9 241.64,71.9 D46.1 239.84,71.9 222.85,71.9 D45.1 221.05,71.9 203.67,71.9 D44.1 201.87,71.9 184.37,71.9 D43.1 182.56,71.9 165.44,71.9 D42.1 163.64,71.9 146.27,71.9 D41.1 144.46,71.9 127.47,71.9 D40.1 125.67,71.9 108.29,71.9 D39.1 106.49,71.9 89.37,71.9 D38.1 87.57,71.9 70.45,71.9 D37.1 68.65,71.9 51.14,71.9 D36.1 49.34,71.9 27.39,71.9 D35.1
R3: length 374.1
  Bottom w0.2: D66.1 373.57,52.59 368.79,52.59 362.15,59.23 362.15,63.91 359.61,66.45 296.88,66.45 292.3,61.87 287.35,61.87 D65.1 274.55,63.14 271.91,60.5 271.91,54.43 270.07,52.59 265.52,52.59 D64.1 263.7,52.58 246.36,52.58 D63.1 244.53,52.58 227.56,52.58 D62.1 225.74,52.59 208.24,52.59 D61.1 206.44,52.59 189.57,52.59 D60.1 187.77,52.59 170.14,52.59 D59.1 168.34,52.59 151.22,52.59 D58.1 149.42,52.59 132.04,52.59 D57.1 130.24,52.59 113.25,52.59 D56.1 111.44,52.59 94.32,52.59 D55.1 92.52,52.59 75.15,52.59 D54.1 73.34,52.59 56.35,52.59 D53.1 54.55,52.59 29.81,52.59 D52.1
R4: length 363.5
  Bottom w0.2: D81.1 373.06,33.8 332.32,33.8 D80.1 326.82,30.1 288.09,30.1 284.4,33.78 272.79,33.78 D79.1 270.99,33.78 237.26,33.78 D78.1 235.46,33.78 217.96,33.78 D77.1 216.15,33.78 199.16,33.78 D76.1 197.36,33.78 179.86,33.78 D75.1 178.05,33.78 160.55,33.78 D74.1 158.75,33.78 141.63,33.78 D73.1 139.83,33.78 122.96,33.78 D72.1 121.16,33.78 103.66,33.78 D71.1 101.85,33.78 84.86,33.78 D70.1 83.06,33.78 65.56,33.78 D69.1 63.75,33.78 46.63,33.78 D68.1 44.86,33.81 24.89,33.81 D67.1
R5: length 358.1
  Bottom w0.2: D82.1 25.34,14.5 47.35,14.5 D83.1 49.12,14.48 71.02,14.48 D84.1 72.82,14.48 142.42,14.48 D85.1 144.23,14.49 213.68,14.49 D86.1 215.48,14.49 237.43,14.49 D87.1 239.23,14.49 261.3,14.49 D88.1 263.11,14.49 285.18,14.49 D89.1 286.98,14.49 311.47,14.49 D90.1 313.27,14.49 330.39,14.49 D91.1 332.19,14.49 349.57,14.49 D92.1 351.37,14.49 373.45,14.49 D93.1
Net-(D1-A): length 13.8
  Bottom w0.2: SW1.1 15.7,119.53 18.85,116.37 24.32,116.37 D1.2
Net-(D2-A): length 13.9
  Bottom w0.2: D2.2 43.5,116.37 37.9,116.37 34.75,119.53 SW2.1
Net-(D3-A): length 13.8
  Bottom w0.2: SW3.1 53.8,119.53 56.95,116.37 62.42,116.37 D3.2
Net-(D4-A): length 13.9
  Bottom w0.2: SW4.1 72.85,119.53 76,116.37 81.6,116.37 D4.2
Net-(D5-A): length 13.8
  Bottom w0.2: D5.2 100.52,116.37 95.05,116.37 91.9,119.53 SW5.1
Net-(D6-A): length 13.8
  Bottom w0.2: D6.2 119.57,116.37 114.1,116.37 110.95,119.53 SW6.1
Net-(D7-A): length 13.6
  Bottom w0.2: SW7.1 130,119.53 133.15,116.37 138.49,116.37 D7.2
Net-(D8-A): length 13.8
  Bottom w0.2: SW8.1 149.05,119.07 151.75,116.37 157.42,116.37 D8.2
Net-(D9-A): length 13.8
  Bottom w0.2: D9.2 176.72,116.37 171.25,116.37 168.1,119.53 SW9.1
Net-(D10-A): length 13.5
  Bottom w0.2: D10.2 195.52,116.37 190.3,116.37 187.15,119.53 SW10.1
Net-(D11-A): length 13.8
  Bottom w0.2: SW11.1 206.2,119.53 209.35,116.37 214.82,116.37 D11.2
Net-(D12-A): length 13.8
  Bottom w0.2: SW12.1 225.25,119.02 227.9,116.37 233.62,116.37 D12.2
Net-(D13-A): length 13.5
  Bottom w0.2: SW13.1 244.3,119.66 247.59,116.37 252.79,116.37 D13.2
Net-(D14-A): length 13.8
  Bottom w0.2: D14.2 314.9,116.37 309.37,116.37 306.21,119.53 SW14.1
Net-(D15-A): length 13.7
  Bottom w0.2: SW15.1 325.26,119.34 328.23,116.37 333.69,116.37 D15.2
Net-(D16-A): length 13.8
  Bottom w0.2: D16.2 353,116.37 347.47,116.37 344.31,119.53 SW16.1
Net-(D17-A): length 13.7
  Bottom w0.2: D17.2 24.19,92.49 18.92,92.49 15.7,95.71 SW17.1
Net-(D18-A): length 13.9
  Bottom w0.2: D18.2 43.5,92.49 37.97,92.49 34.75,95.71 SW18.1
Net-(D19-A): length 13.8
  Bottom w0.2: SW19.1 53.8,95.71 57,92.51 62.41,92.51 D19.2
Net-(D20-A): length 13.5
  Bottom w0.2: SW20.1 72.85,95.71 76.07,92.49 81.22,92.49 D20.2
Net-(D21-A): length 13.8
  Bottom w0.2: D21.2 100.51,92.51 95.1,92.51 91.9,95.71 SW21.1
Net-(D22-A): length 13.9
  Bottom w0.2: SW22.1 110.95,95.71 114.17,92.49 119.7,92.49 D22.2
Net-(D23-A): length 13.7
  Bottom w0.2: D23.2 138.49,92.49 133.22,92.49 130,95.71 SW23.1
Net-(D24-A): length 14
  Bottom w0.2: D24.2 157.92,92.49 152.27,92.49 149.05,95.71 SW24.1
Net-(D25-A): length 13.7
  Bottom w0.2: D25.2 176.59,92.49 171.32,92.49 168.1,95.71 SW25.1
Net-(D26-A): length 13.5
  Bottom w0.2: D26.2 195.52,92.49 190.37,92.49 187.15,95.71 SW26.1
Net-(D27-A): length 13.8
  Bottom w0.2: SW27.1 206.2,95.71 209.42,92.49 214.82,92.49 D27.2
Net-(D28-A): length 13.4
  Bottom w0.2: D28.2 233.49,92.49 228.47,92.49 225.25,95.71 SW28.1
Net-(D29-A): length 13.8
  Bottom w0.2: SW29.1 244.3,95.71 246.64,93.37 252.04,93.37 D29.2
Net-(D30-A): length 13.5
  Bottom w0.2: SW30.1 272.87,95.71 276.09,92.49 281.24,92.49 D30.2
Net-(D31-A): length 13.8
  Bottom w0.2: SW31.1 306.21,95.71 309.43,92.49 314.9,92.49 D31.2
Net-(D32-A): length 13.6
  Bottom w0.2: SW32.1 325.26,95.71 328.48,92.49 333.69,92.49 D32.2
Net-(D33-A): length 13.8
  Bottom w0.2: D33.2 352.86,92.63 347.39,92.63 344.31,95.71 SW33.1
Net-(D34-A): length 13.4
  Bottom w0.2: D34.2 376.36,92.49 371.34,92.49 368.12,95.71 SW34.1
Net-(D35-A): length 13.5
  Bottom w0.2: D35.2 28.89,73.7 23.43,73.7 20.46,76.66 SW35.1
Net-(D36-A): length 13.1
  Bottom w0.2: SW36.1 44.27,77.13 47.71,73.7 52.64,73.7 D36.2
Net-(D37-A): length 13.7
  Bottom w0.2: SW37.1 63.32,76.66 66.29,73.7 71.95,73.7 D37.2
Net-(D38-A): length 13.5
  Bottom w0.2: SW38.1 82.37,76.66 85.34,73.7 90.87,73.7 D38.2
Net-(D39-A): length 13.4
  Bottom w0.2: D39.2 109.79,73.7 104.39,73.7 101.42,76.66 SW39.1
Net-(D40-A): length 13.5
  Bottom w0.2: D40.2 128.97,73.7 123.44,73.7 120.47,76.66 SW40.1
Net-(D41-A): length 13.3
  Bottom w0.2: SW41.1 139.52,76.66 142.49,73.7 147.76,73.7 D41.2
Net-(D42-A): length 13.4
  Bottom w0.2: D42.2 166.94,73.7 161.54,73.7 158.57,76.66 SW42.1
Net-(D43-A): length 13.4
  Bottom w0.2: D43.2 185.86,73.7 180.43,73.7 177.62,76.5 SW43.1
Net-(D44-A): length 13.5
  Bottom w0.2: D44.2 205.17,73.7 199.64,73.7 196.67,76.66 SW44.1
Net-(D45-A): length 13.7
  Bottom w0.2: SW45.1 215.72,76.66 218.69,73.7 224.35,73.7 D45.2
Net-(D46-A): length 13.4
  Bottom w0.2: SW46.1 234.77,76.66 237.74,73.7 243.14,73.7 D46.2
Net-(D47-A): length 13.4
  Bottom w0.2: SW47.1 253.82,76.66 256.79,73.7 262.19,73.7 D47.2
Net-(D48-A): length 13.2
  Bottom w0.2: D48.2 314.04,74.04 308.83,74.04 306.22,76.65 SW48.1
Net-(D49-A): length 13.5
  Bottom w0.2: SW49.1 325.25,76.65 328.2,73.7 333.69,73.7 D49.2
Net-(D50-A): length 13.6
  Bottom w0.2: D50.2 352.87,73.7 347.25,73.7 344.3,76.65 SW50.1
Net-(D51-A): length 13.7
  Bottom w0.2: D51.2 376.75,73.7 371.08,73.7 368.12,76.65 SW51.1
Net-(D52-A): length 13.6
  Bottom w0.2: SW52.1 22.87,57.61 26.09,54.39 31.31,54.39 D52.2
Net-(D53-A): length 13.9
  Bottom w0.2: D53.2 57.85,54.39 52.28,54.39 49.06,57.61 SW53.1
Net-(D54-A): length 13.7
  Bottom w0.2: D54.2 76.64,54.39 71.33,54.39 68.1,57.63 SW54.1
Net-(D55-A): length 13.8
  Bottom w0.2: SW55.1 87.15,57.63 90.38,54.39 95.82,54.39 D55.2
Net-(D56-A): length 13.7
  Bottom w0.2: SW56.1 106.2,57.63 109.43,54.39 114.74,54.39 D56.2
Net-(D57-A): length 13.5
  Bottom w0.2: D57.2 133.54,54.39 128.48,54.39 125.25,57.63 SW57.1
Net-(D58-A): length 13.6
  Bottom w0.2: SW58.1 144.3,57.63 147.53,54.39 152.72,54.39 D58.2
Net-(D59-A): length 13.5
  Bottom w0.2: D59.2 171.64,54.39 166.58,54.39 163.35,57.63 SW59.1
Net-(D60-A): length 13.8
  Bottom w0.2: SW60.1 182.4,57.63 185.54,54.48 190.98,54.48 D60.2
Net-(D61-A): length 13.9
  Bottom w0.2: 201.7,59.56 201.45,59.82 SW61.1 201.45,58.12 205.17,54.39 209.74,54.39 D61.2
Net-(D62-A): length 13.7
  Bottom w0.2: D62.2 229.04,54.39 223.73,54.39 220.5,57.63 SW62.1
Net-(D63-A): length 13.5
  Bottom w0.2: SW63.1 239.55,57.63 242.78,54.39 247.84,54.39 D63.2
Net-(D64-A): length 14
  Bottom w0.2: SW64.1 258.6,56.9 261.1,54.39 267.02,54.39 D64.2
Net-(D65-A): length 13.6
  Bottom w0.2: D65.2 288.48,64.05 283.14,64.05 280.04,67.15 SW65.1
Net-(D66-A): length 13.9
  Bottom w0.2: SW66.1 368.12,57.61 371.34,54.39 376.87,54.39 D66.2
Net-(D67-A): length 13.3
  Bottom w0.2: D67.2 26.38,35.61 21.08,35.61 18.11,38.58 SW67.1
Net-(D68-A): length 13.6
  Bottom w0.2: SW68.1 39.57,38.55 42.54,35.58 48.13,35.58 D68.2
Net-(D69-A): length 13.6
  Bottom w0.2: SW69.1 58.62,38.36 61.39,35.58 67.05,35.58 D69.2
Net-(D70-A): length 13.7
  Bottom w0.2: D70.2 86.36,35.58 80.64,35.58 77.67,38.55 SW70.1
Net-(D71-A): length 13.5
  Bottom w0.2: D71.2 105.15,35.58 99.69,35.58 96.72,38.55 SW71.1
Net-(D72-A): length 13.7
  Bottom w0.2: D72.2 124.46,35.58 118.74,35.58 115.77,38.55 SW72.1
Net-(D73-A): length 13.3
  Bottom w0.2: SW73.1 134.82,38.58 137.82,35.58 143.13,35.58 D73.2
Net-(D74-A): length 13.2
  Bottom w0.2: SW74.1 153.87,38.55 156.84,35.58 162.05,35.58 D74.2
Net-(D75-A): length 13.5
  Bottom w0.2: SW75.1 172.92,38.55 175.89,35.58 181.35,35.58 D75.2
Net-(D76-A): length 13.7
  Bottom w0.2: D76.2 200.66,35.59 194.94,35.59 191.97,38.55 SW76.1
Net-(D77-A): length 13.2
  Bottom w0.2: SW77.1 211.02,39.04 214.48,35.58 219.45,35.58 D77.2
Net-(D78-A): length 13.7
  Bottom w0.2: 230.07,41.1 230.07,38.55 233.04,35.58 238.76,35.58 D78.2
Net-(D79-A): length 13.6
  Bottom w0.2: SW79.1 265.76,38.55 268.73,35.58 274.29,35.58 D79.2
Net-(D80-A): length 13.6
  Bottom w0.2: SW80.1 325.26,38.56 327.96,35.86 333.55,35.86 D80.2
Net-(D81-A): length 13.3
  Bottom w0.2: SW81.1 368.12,38.56 371.09,35.6 376.36,35.6 D81.2
Net-(D82-A): length 13.9
  Bottom w0.2: D82.2 26.83,16.31 21.34,16.31 18.12,19.53 SW82.1
Net-(D83-A): length 13.8
  Bottom w0.2: D83.2 50.62,16.28 45.15,16.28 41.93,19.5 SW83.1
Net-(D84-A): length 13.7
  Bottom w0.2: D84.2 74.32,16.28 68.98,16.28 65.76,19.5 SW84.1
Net-(D85-A): length 13.7
  Bottom w0.2: SW85.1 137.14,19.51 140.36,16.29 145.73,16.29 D85.2
Net-(D86-A): length 13.6
  Bottom w0.2: D86.2 216.98,16.29 211.8,16.29 208.58,19.51 SW86.1
Net-(D87-A): length 13.5
  Bottom w0.2: SW87.1 232.39,19.51 235.61,16.29 240.73,16.29 D87.2
Net-(D88-A): length 13.6
  Bottom w0.2: D88.2 264.57,16.33 259.39,16.33 256.2,19.51 SW88.1
Net-(D89-A): length 13.6
  Bottom w0.2: D89.2 288.48,16.29 283.24,16.29 280.02,19.51 SW89.1
Net-(D90-A): length 13.7
  Bottom w0.2: D90.2 314.77,16.29 309.43,16.29 306.21,19.51 SW90.1
Net-(D91-A): length 13.6
  Bottom w0.2: D91.2 333.69,16.29 328.48,16.29 325.26,19.51 SW91.1
Net-(D92-A): length 13.7
  Bottom w0.2: D92.2 352.87,16.29 347.53,16.29 344.31,19.51 SW92.1
Net-(D93-A): length 13.8
  Bottom w0.2: SW93.1 368.12,19.51 371.34,16.29 376.75,16.29 D93.2
Net-(D94-A): length 8.7
  Bottom w0.2: D94.2 373.46,122.33 369.32,126.47 SW94.S2
Net-(D95-DIN): length 8.1
  Bottom w0.2: D96.2 338.18,58.39 338.19,58.38 338.39,58.58 338.39,62.9 339.23,63.74 D95.4
Net-(D96-DIN): length 8
  Bottom w0.2: D97.2 333.14,58.39 333.41,58.66 333.41,62.7 334.45,63.74 D96.4
Net-(D97-DIN): length 8
  Bottom w0.2: D97.4 329.47,63.74 328.66,62.92 328.66,58.78 328.26,58.39 D98.2
Net-(D98-DIN): length 8.1
  Bottom w0.2: D99.2 323.31,58.39 323.63,58.7 323.63,62.96 323.63,62.97 324.39,63.74 D98.4
Net-(D100-DOUT): length 8.1
  Bottom w0.2: D99.4 319.52,63.74 318.75,62.97 318.75,58.66 318.48,58.39 D100.2

## Copper pours and planes (outline as drawn; the poured copper is in the pictures)
(no net) on Top, Bottom: -3.1,-10.52 -2.84,143.28 437.62,143.64 436.35,-10.52
